# KiCad board bd845-pwb.kicad_pcb
title: BD845-PWB PCB; date: 2022-12-13; rev: 1.0.0; company: BlueDot, Vincenzo Fortunato
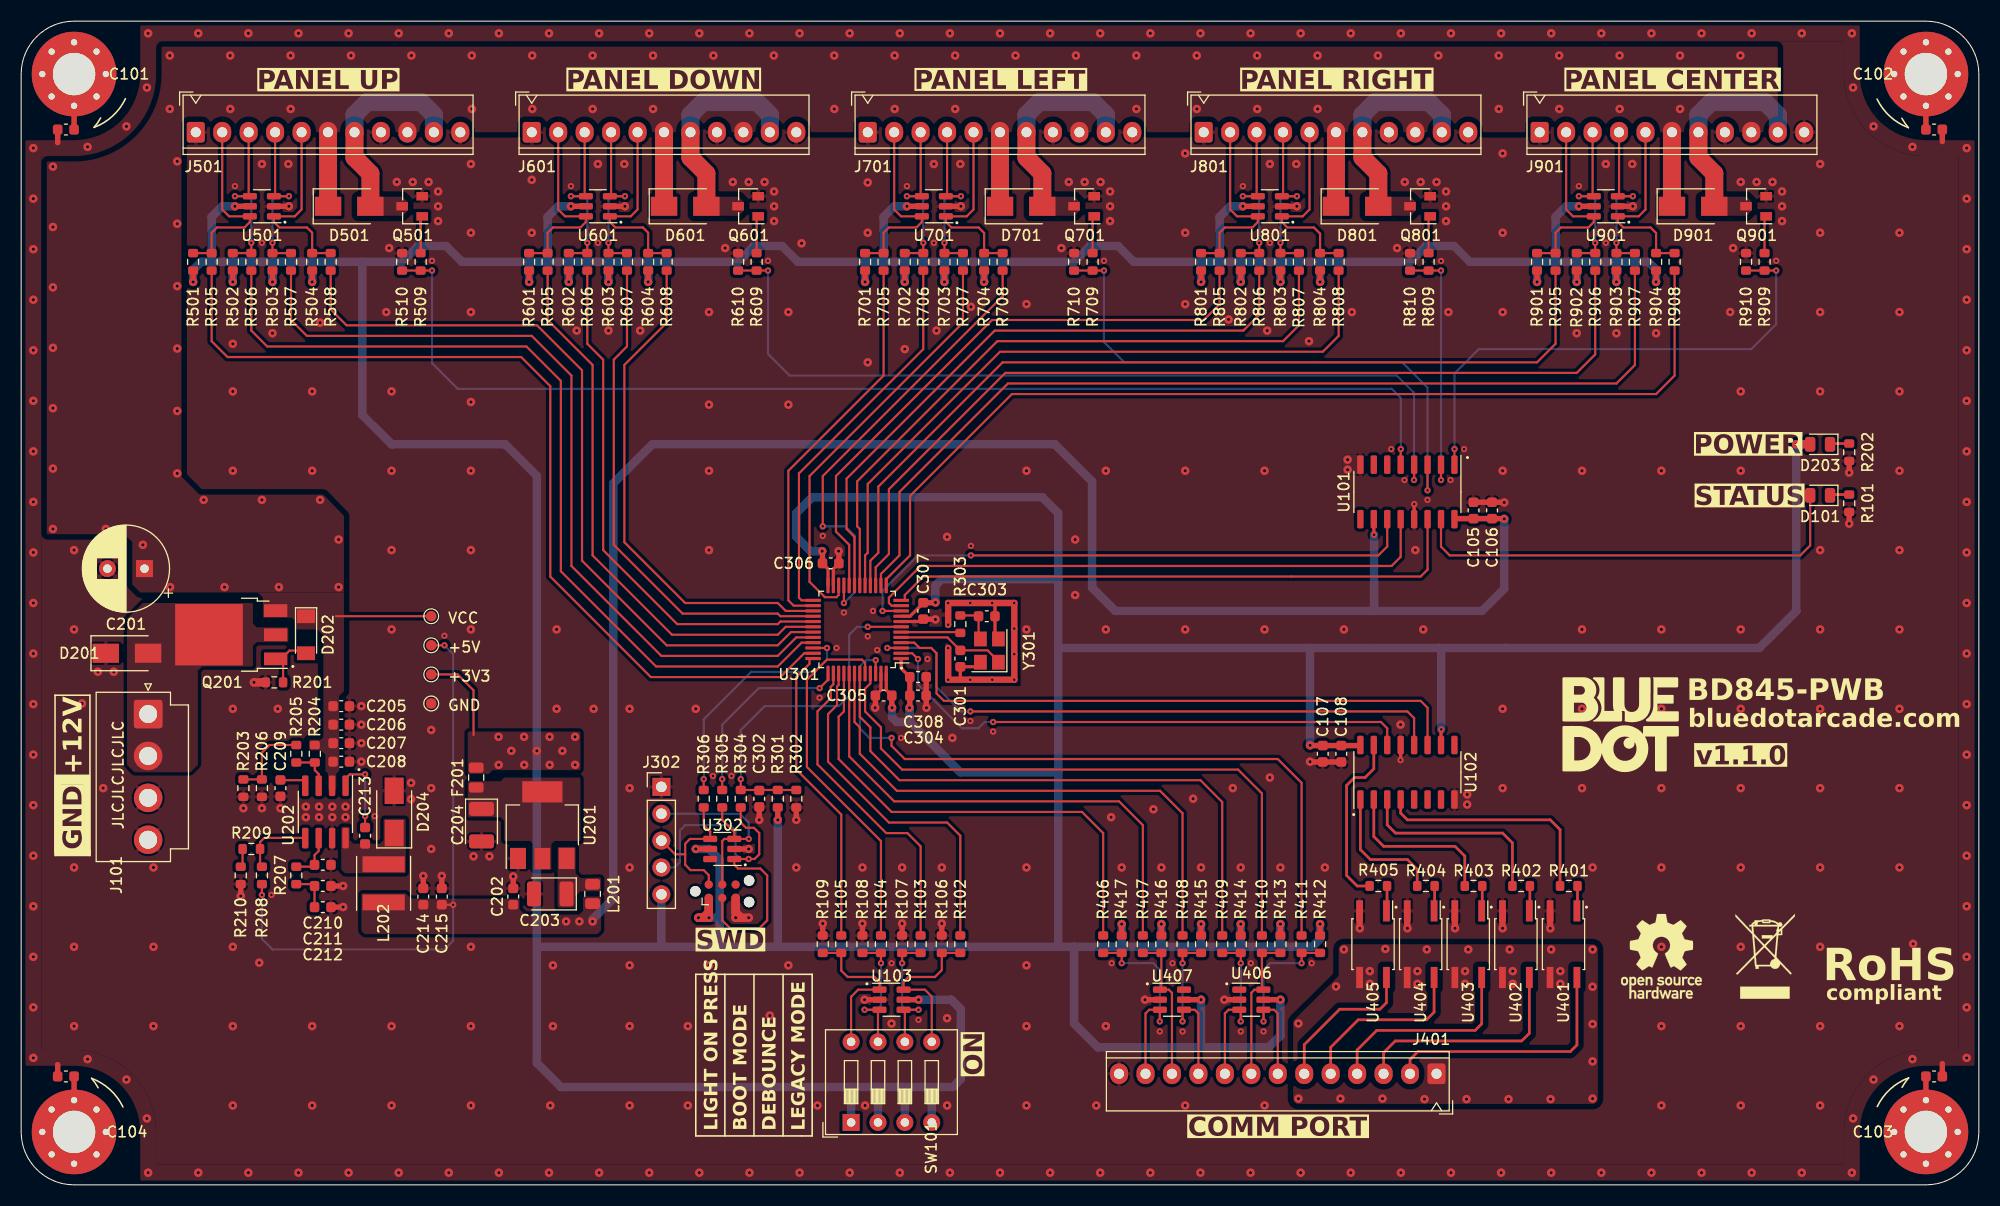
[diagram p0: board, top side]
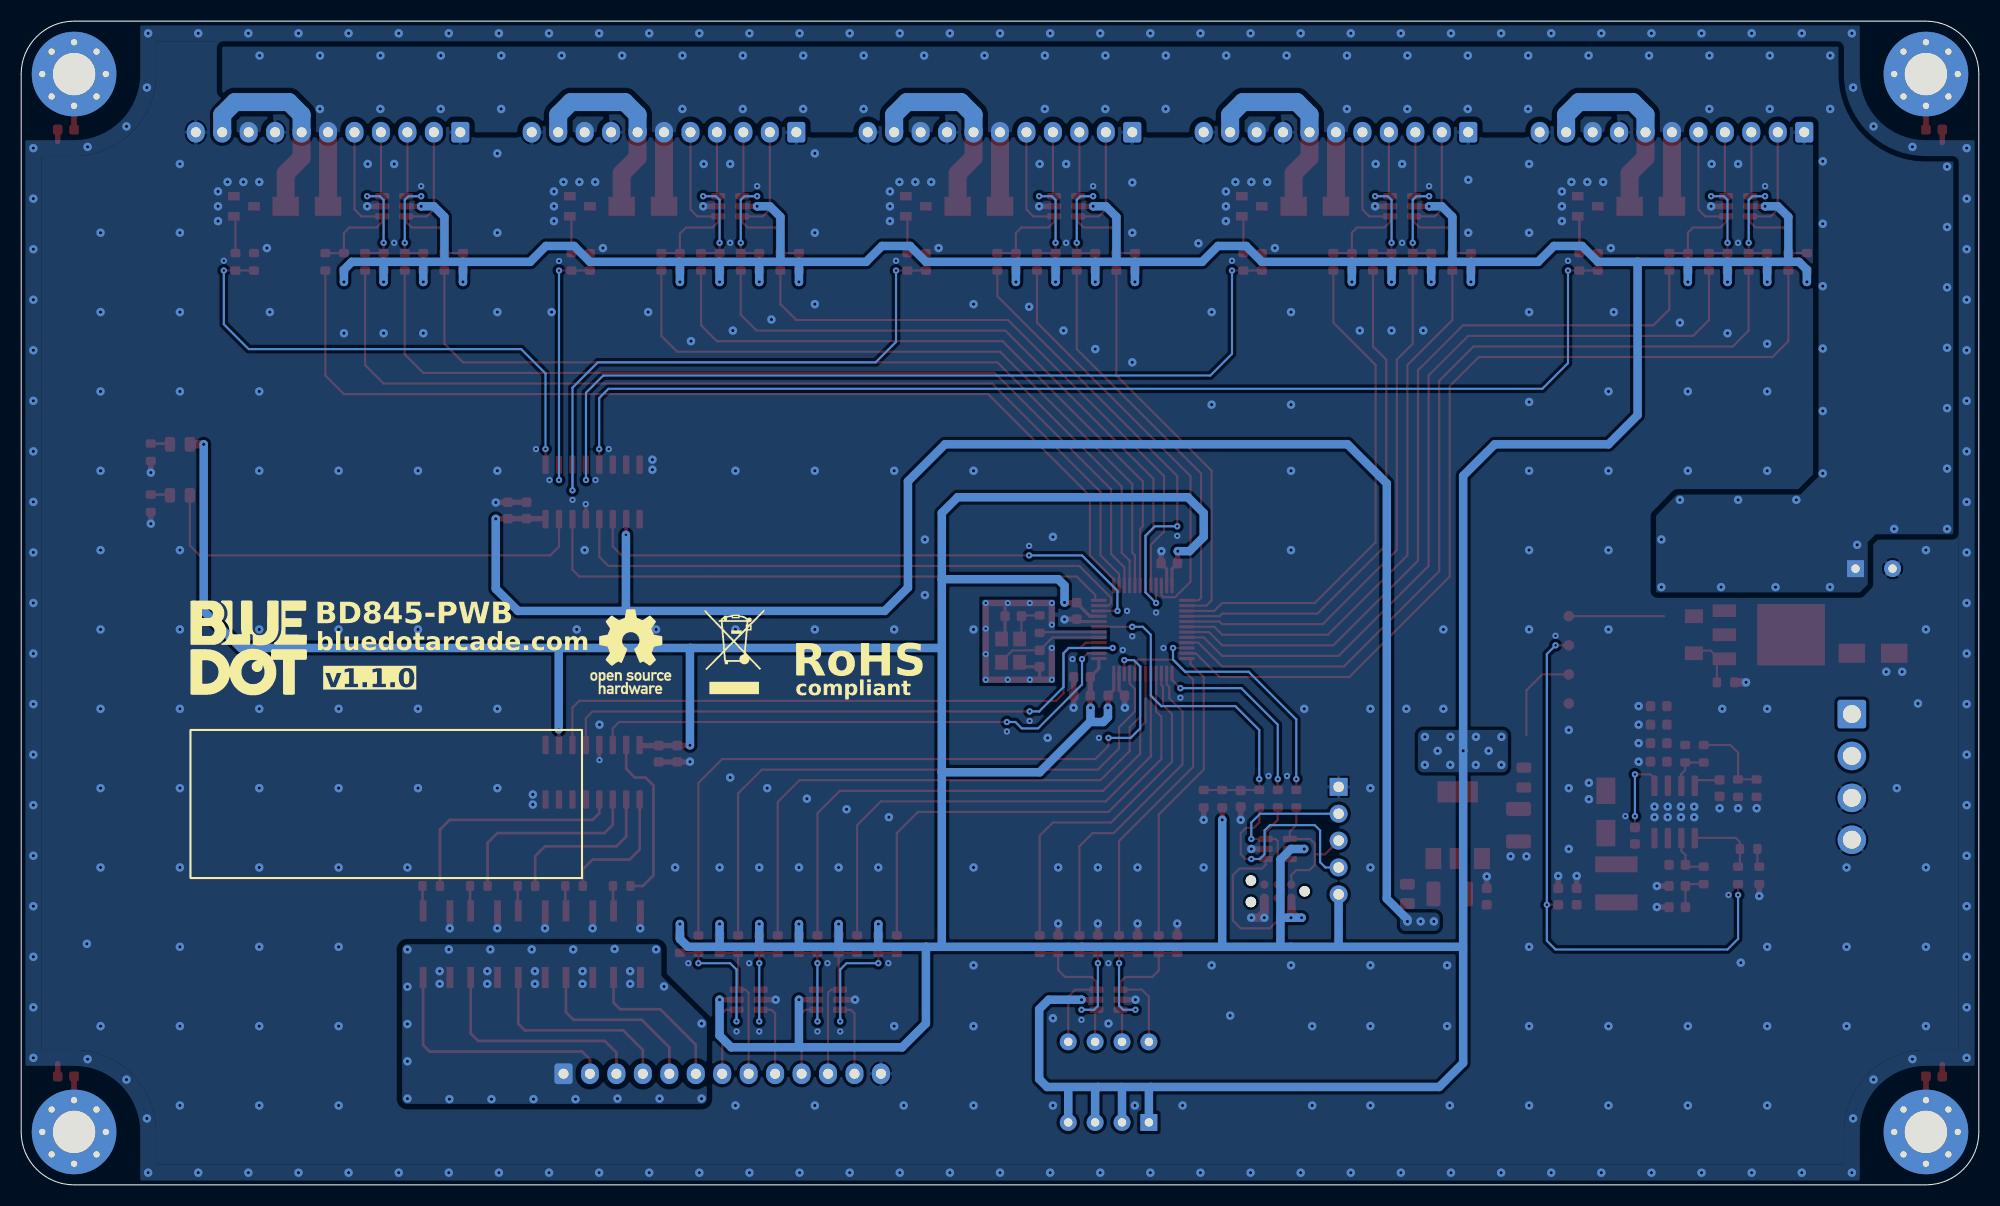
[diagram p1: board, bottom side, seen from below]

Outline 185 x 110 mm; copper layers: F.Cu (Sig-Pwr-Gnd), In1.Cu (Gnd) (plane), In2.Cu  (Gnd) (plane), B.Cu  (Sig-Pwr-Gnd). Coordinates in mm from the lower left corner of the outline.
Outline path: 0,105 0,5 arc(1.46,1.46) 5,0 180,0 arc(183.54,1.46) 185,5 185,105 arc(183.54,108.54) 180,110 5,110 arc(1.46,108.54) 0,105
Stack: F.Cu (Sig-Pwr-Gnd) 0.035mm / dielectric 0.0994mm FR4 er 4.5 / In1.Cu (Gnd) 0.0152mm / dielectric 1.265mm FR4 er 4.5 / In2.Cu  (Gnd) 0.0152mm / dielectric 0.0994mm FR4 er 4.5 / B.Cu  (Sig-Pwr-Gnd) 0.035mm

## Placement (name value [footprint] x y rotation side)
C101  1n  [C_0603_1608Metric]  4.23 99.75 0 top
C102  1n  [C_0603_1608Metric]  180.78 99.75 180 top
C103  1n  [C_0603_1608Metric]  180.78 10.25 180 top
C104  1n  [C_0603_1608Metric]  4.23 10.25 0 top
C105  10n  [C_0603_1608Metric]  137.25 63.75 90 top
C106  100n  [C_0603_1608Metric]  139 63.75 90 top
C107  100n  [C_0603_1608Metric]  123 40.75 270 top
C108  10n  [C_0603_1608Metric]  124.75 40.75 270 top
C201  330u  [CP_Radial_D8.0mm_P3.50mm]  11.65 58.25 180 top
C202  100n  [C_0603_1608Metric]  46.5 27.25 90 top
C203  22u  [CP_EIA-3528-15_AVX-H]  50 27.5 180 top
C204  22u  [CP_EIA-3528-15_AVX-H]  43.5 34 270 top
C205  10u  [C_0603_1608Metric]  30.25 45.25 0 top
C206  10u  [C_0603_1608Metric]  30.25 43.5 0 top
C207  10n  [C_0603_1608Metric]  30.25 41.75 0 top
C208  1n  [C_0603_1608Metric]  30.25 40 0 top
C209  10n  [C_0603_1608Metric]  24.5 37.5 270 top
C210  6p8  [C_0603_1608Metric]  28.5 30.25 0 top
C211  2n7  [C_0603_1608Metric]  28.5 28.25 0 top
C212  2n7  [C_0603_1608Metric]  28.5 26.25 0 top
C213  100n  [C_0603_1608Metric]  32.5 33 270 top
C214  10u  [C_0603_1608Metric]  38 27.25 90 top
C215  10u  [C_0603_1608Metric]  39.75 27.25 90 top
C301  10p  [C_0603_1608Metric]  88.75 49.75 270 top
C302  100n  [C_0603_1608Metric]  69.75 36.5 270 top
C303  10p  [C_0603_1608Metric]  91.25 53.75 0 top
C304  10u  [C_0603_1608Metric]  84.75 46.25 0 top
C305  100n  [C_0603_1608Metric]  81.5 46.25 180 top
C306  100n  [C_0603_1608Metric]  76.5 58.75 0 top
C307  100n  [C_0603_1608Metric]  85.25 54.25 270 top
C308  100n  [C_0603_1608Metric]  84.75 48 0 top
D101  Status  [LED_0805_2012Metric]  170 65.17 180 top
D201  SMAJ15CA  [D_SMA]  10 50.25 0 top
D202  5V6  [D_MiniMELF]  26.92 52 270 top
D203  Power  [LED_0805_2012Metric]  170 70 180 top
D204  SS34  [D_SMA]  35.25 35.25 90 top
D501  SS34  [D_SMA]  31 92.5 0 top
D601  SS34  [D_SMA]  62.75 92.5 0 top
D701  SS34  [D_SMA]  94.5 92.5 0 top
D801  SS34  [D_SMA]  126.25 92.5 0 top
D901  SS34  [D_SMA]  158 92.5 0 top
F201  BSMD0805-035  [Fuse_0805_2012Metric]  43 38.5 270 top
G***  LOGO  [bluedot-logo]  151.15 43.5 0 top
G***#2  LOGO  [bluedot-logo]  163.5 50.75 180 bottom
H101  MountingHole_Pad  [MountingHole_4mm_Pad_Via]  5 105 0 top
H102  MountingHole_Pad  [MountingHole_4mm_Pad_Via]  180 105 0 top
H103  MountingHole_Pad  [MountingHole_4mm_Pad_Via]  180 5 0 top
H104  MountingHole_Pad  [MountingHole_4mm_Pad_Via]  5 5 0 top
J101  JST_VH_B4P  [JST_VH_B4P-VH_1x04_P3.96mm_Vertical]  12 44.5 270 top
J301  TC2030-MCP-NL  [Tag-Connect_TC2030-IDC-NL_2x03_P1.27mm_Vertical]  66.25 27.75 0 top
J302  PinHeader_01x05  [PinHeader_1x05_P2.54mm_Vertical]  60.5 37.62 0 top
J401  JST_B13P_SHF_1AA  [JST_NH_B13P-SHF-1AA_1x13_P2.50mm_Vertical]  133.75 10.5 180 top
J501  JST_B11P_SHF_1AA  [JST_NH_B11P-SHF-1AA_1x11_P2.50mm_Vertical]  16.5 99.5 0 top
J601  JST_B11P_SHF_1AA  [JST_NH_B11P-SHF-1AA_1x11_P2.50mm_Vertical]  48.25 99.5 0 top
J701  JST_B11P_SHF_1AA  [JST_NH_B11P-SHF-1AA_1x11_P2.50mm_Vertical]  80 99.5 0 top
J801  JST_B11P_SHF_1AA  [JST_NH_B11P-SHF-1AA_1x11_P2.50mm_Vertical]  111.75 99.5 0 top
J901  JST_B11P_SHF_1AA  [JST_NH_B11P-SHF-1AA_1x11_P2.50mm_Vertical]  143.5 99.5 0 top
L201  100R  [R_0805_2012Metric]  54 27.5 90 top
L202  22u  [L_Taiyo-Yuden_NR-50xx]  34.25 28.5 270 top
Q201  AOD409  [TO-252-3_TabPin2]  19.85 52 180 top
Q501  ZXMS6004FFTA  [SOT23F]  37 92.5 180 top
Q601  ZXMS6004FFTA  [SOT23F]  68.75 92.5 180 top
Q701  ZXMS6004FFTA  [SOT23F]  100.5 92.5 180 top
Q801  ZXMS6004FFTA  [SOT23F]  132.25 92.5 180 top
Q901  ZXMS6004FFTA  [SOT23F]  164 92.5 180 top
R101  1k  [R_0603_1608Metric]  172.75 64.42 270 top
R102  150R  [R_0603_1608Metric]  88.75 22.75 90 top
R103  150R  [R_0603_1608Metric]  85 22.75 90 top
R104  150R  [R_0603_1608Metric]  81.25 22.75 90 top
R105  150R  [R_0603_1608Metric]  77.5 22.75 90 top
R106  10k  [R_0603_1608Metric]  87 22.75 90 top
R107  10k  [R_0603_1608Metric]  83.25 22.75 90 top
R108  10k  [R_0603_1608Metric]  79.5 22.75 90 top
R109  10k  [R_0603_1608Metric]  75.75 22.75 90 top
R201  10k  [R_0603_1608Metric]  23.92 47.5 180 top
R202  1k  [R_0603_1608Metric]  172.75 69.25 90 top
R203  10k  [R_0603_1608Metric]  21 37.5 270 top
R204  100k  [R_0603_1608Metric]  27.75 40.75 270 top
R205  10k  [R_0603_1608Metric]  26 40.75 90 top
R206  10k  [R_0603_1608Metric]  22.75 37.5 270 top
R207  6k8  [R_0603_1608Metric]  26 29.25 270 top
R208  10k  [R_0603_1608Metric]  22.75 29.25 90 top
R209  150R  [R_0603_1608Metric]  21.75 31.75 180 top
R210  1k8  [R_0603_1608Metric]  20.75 29.25 270 top
R301  10k  [R_0603_1608Metric]  71.5 36.5 90 top
R302  NC  [R_0603_1608Metric]  73.25 36.5 270 top
R303  47R  [R_0603_1608Metric]  88.75 53 90 top
R304  150R  [R_0603_1608Metric]  68 36.5 90 top
R305  150R  [R_0603_1608Metric]  66.25 36.5 90 top
R306  150R  [R_0603_1608Metric]  64.5 36.5 90 top
R401  330R  [R_0603_1608Metric]  146.25 28.25 0 top
R402  330R  [R_0603_1608Metric]  141.75 28.25 0 top
R403  330R  [R_0603_1608Metric]  137.25 28.25 0 top
R404  330R  [R_0603_1608Metric]  132.75 28.25 0 top
R405  330R  [R_0603_1608Metric]  128.25 28.25 0 top
R406  150R  [R_0603_1608Metric]  102.25 22.75 90 top
R407  150R  [R_0603_1608Metric]  106 22.75 90 top
R408  150R  [R_0603_1608Metric]  109.75 22.75 90 top
R409  150R  [R_0603_1608Metric]  113.5 22.75 90 top
R410  150R  [R_0603_1608Metric]  117.25 22.75 90 top
R411  150R  [R_0603_1608Metric]  121 22.75 90 top
R412  10k  [R_0603_1608Metric]  122.75 22.75 90 top
R413  10k  [R_0603_1608Metric]  119 22.75 90 top
R414  10k  [R_0603_1608Metric]  115.25 22.75 90 top
R415  10k  [R_0603_1608Metric]  111.5 22.75 90 top
R416  10k  [R_0603_1608Metric]  107.75 22.75 90 top
R417  10k  [R_0603_1608Metric]  104 22.75 90 top
R501  10k  [R_0603_1608Metric]  16.25 87.25 90 top
R502  10k  [R_0603_1608Metric]  20 87.25 90 top
R503  10k  [R_0603_1608Metric]  23.75 87.25 90 top
R504  10k  [R_0603_1608Metric]  27.5 87.25 90 top
R505  150R  [R_0603_1608Metric]  18 87.25 90 top
R506  150R  [R_0603_1608Metric]  21.75 87.25 90 top
R507  150R  [R_0603_1608Metric]  25.5 87.25 90 top
R508  150R  [R_0603_1608Metric]  29.25 87.25 90 top
R509  0R  [R_0603_1608Metric]  37.75 87.25 270 top
R510  10k  [R_0603_1608Metric]  36 87.25 270 top
R601  10k  [R_0603_1608Metric]  48 87.25 90 top
R602  10k  [R_0603_1608Metric]  51.75 87.25 90 top
R603  10k  [R_0603_1608Metric]  55.5 87.25 90 top
R604  10k  [R_0603_1608Metric]  59.25 87.25 90 top
R605  150R  [R_0603_1608Metric]  49.75 87.25 90 top
R606  150R  [R_0603_1608Metric]  53.5 87.25 90 top
R607  150R  [R_0603_1608Metric]  57.25 87.25 90 top
R608  150R  [R_0603_1608Metric]  61 87.25 90 top
R609  0R  [R_0603_1608Metric]  69.5 87.25 270 top
R610  10k  [R_0603_1608Metric]  67.75 87.25 270 top
R701  10k  [R_0603_1608Metric]  79.75 87.25 90 top
R702  10k  [R_0603_1608Metric]  83.5 87.25 90 top
R703  10k  [R_0603_1608Metric]  87.25 87.25 90 top
R704  10k  [R_0603_1608Metric]  91 87.25 90 top
R705  150R  [R_0603_1608Metric]  81.5 87.25 90 top
R706  150R  [R_0603_1608Metric]  85.25 87.25 90 top
R707  150R  [R_0603_1608Metric]  89 87.25 90 top
R708  150R  [R_0603_1608Metric]  92.75 87.25 90 top
R709  0R  [R_0603_1608Metric]  101.25 87.25 270 top
R710  10k  [R_0603_1608Metric]  99.5 87.25 270 top
R801  10k  [R_0603_1608Metric]  111.5 87.25 90 top
R802  10k  [R_0603_1608Metric]  115.25 87.25 90 top
R803  10k  [R_0603_1608Metric]  119 87.25 90 top
R804  10k  [R_0603_1608Metric]  122.75 87.25 90 top
R805  150R  [R_0603_1608Metric]  113.25 87.25 90 top
R806  150R  [R_0603_1608Metric]  117 87.25 90 top
R807  150R  [R_0603_1608Metric]  120.75 87.25 90 top
R808  150R  [R_0603_1608Metric]  124.5 87.25 90 top
R809  0R  [R_0603_1608Metric]  133 87.25 270 top
R810  10k  [R_0603_1608Metric]  131.25 87.25 270 top
R901  10k  [R_0603_1608Metric]  143.25 87.25 90 top
R902  10k  [R_0603_1608Metric]  147 87.25 90 top
R903  10k  [R_0603_1608Metric]  150.75 87.25 90 top
R904  10k  [R_0603_1608Metric]  154.5 87.25 90 top
R905  150R  [R_0603_1608Metric]  145 87.25 90 top
R906  150R  [R_0603_1608Metric]  148.75 87.25 90 top
R907  150R  [R_0603_1608Metric]  152.5 87.25 90 top
R908  150R  [R_0603_1608Metric]  156.25 87.25 90 top
R909  0R  [R_0603_1608Metric]  164.75 87.25 270 top
R910  10k  [R_0603_1608Metric]  163 87.25 270 top
REF**  -  [WEEE-Logo_5.6x8mm_SilkScreen]  164.8 21.6 0 top
REF**#2  -  [OSHW-Logo_7.5x8mm_SilkScreen]  155 21.6 0 top
REF**#3  -  [WEEE-Logo_5.6x8mm_SilkScreen]  117.6 50.4 180 bottom
REF**#4  -  [OSHW-Logo_7.5x8mm_SilkScreen]  127.4 50.4 180 bottom
SW101  SW_DIP_x04  [SW_DIP_SPSTx04_Slide_9.78x12.34mm_W7.62mm_P2.54mm]  78.43 5.9 90 top
TP201  TestPoint_Small  [TestPoint_Pad_D1.0mm]  38.75 53.75 0 top
TP202  TestPoint_Small  [TestPoint_Pad_D1.0mm]  38.75 45.5 0 top
TP203  TestPoint_Small  [TestPoint_Pad_D1.0mm]  38.75 48.25 0 top
TP204  TestPoint_Small  [TestPoint_Pad_D1.0mm]  38.75 51 0 top
U101  74HC595-Q100  [SO-16_3.9x9.9mm_P1.27mm]  131 65.5 270 top
U102  74HC595  [SO-16_3.9x9.9mm_P1.27mm]  131 39 90 top
U103  SRV05-4  [SOT-23-6]  82.25 17.5 0 top
U201  AMS1117-3.3  [SOT-223-3_TabPin2]  49.25 34 90 top
U202  TPS54331  [SOIC-8_3.9x4.9mm_P1.27mm]  28.75 35.25 270 top
U301  STM32F030C8Tx  [LQFP-48_7x7mm_P0.5mm]  79 52.5 180 top
U302  SRV05-4  [SOT-23-6]  66.25 31.75 180 top
U401  EL357N(C)(TA)-G  [SO-4_4.4x3.6mm_P2.54mm]  145.75 22.75 270 top
U402  EL357N(C)(TA)-G  [SO-4_4.4x3.6mm_P2.54mm]  141.25 22.75 270 top
U403  EL357N(C)(TA)-G  [SO-4_4.4x3.6mm_P2.54mm]  136.75 22.75 270 top
U404  EL357N(C)(TA)-G  [SO-4_4.4x3.6mm_P2.54mm]  132.25 22.75 270 top
U405  EL357N(C)(TA)-G  [SO-4_4.4x3.6mm_P2.54mm]  127.75 22.75 270 top
U406  SRV05-4  [SOT-23-6]  116.25 17.5 0 top
U407  SRV05-4  [SOT-23-6]  108.75 17.5 0 top
U501  SRV05-4  [SOT-23-6]  22.75 92.5 180 top
U601  SRV05-4  [SOT-23-6]  54.5 92.5 180 top
U701  SRV05-4  [SOT-23-6]  86.25 92.5 180 top
U801  SRV05-4  [SOT-23-6]  118 92.5 180 top
U901  SRV05-4  [SOT-23-6]  149.75 92.5 180 top
Y301  16Mhz  [Crystal_SMD_3225-4Pin_3.2x2.5mm]  91.5 50.5 90 top

## Library data of the parts
C101-C104 C208 = -: Description: Unpolarized capacitor, small symbol; JLCPCB Part #: C1588
C105 C108 C207 C209 = -: Description: Unpolarized capacitor, small symbol; JLCPCB Part #: C57112
C106 C107 C202 C302 C305-C308 = -: Description: Unpolarized capacitor, small symbol; JLCPCB Part #: C14663
C201 = -: Description: Polarized capacitor, small symbol; JLCPCB Part #: C109394
C203 C204 = -: Description: Polarized capacitor, small symbol; ESR: 10Ω; JLCPCB Part #: C8020
C205 C206 C214 C215 C304 = -: Description: Unpolarized capacitor, small symbol; JLCPCB Part #: C96446
C210 = -: Description: Unpolarized capacitor, small symbol; JLCPCB Part #: C1679
C211 C212 = -: Description: Unpolarized capacitor, small symbol; JLCPCB Part #: C1609
C213 = -: Description: Unpolarized capacitor, small symbol; ESR: 1mΩ; JLCPCB Part #: C14663
C301 C303 = -: Description: Unpolarized capacitor, small symbol; JLCPCB Part #: C1634
D101 = -: Description: Light emitting diode, small symbol; JLCPCB Part #: C2296
D201 = -: Description: Bidirectional transient-voltage-suppression diode; JLCPCB Part #: C110044
D202 = -: Description: Zener diode, small symbol; JLCPCB Part #: C8062
D203 = -: Description: Light emitting diode, small symbol; JLCPCB Part #: C142303
D204 D501 D601 D701 D801 D901 = -: Description: Schottky diode, small symbol; JLCPCB Part #: C8678
F201 = -: Description: Resettable fuse, polymeric positive temperature coefficient, small symbol; JLCPCB Part #: C883107
H101-H104 = -: Description: Mounting Hole with connection
J101 = -: Description: Generic connector, single row, 01x04, script generated (kicad-library-utils/schlib/autogen/connector/)
J301 = -: Description: TC2030-MCP-NL PCB Footprint (no legs); Arrow Price/Stock: https://www.arrow.com/en/products/tc2030-mcp-nl/microchip-technology?region=nac; Manufacturer_Name: Microchip; Mouser Part Number: 579-TC2030-MCP-NL; Mouser Price/Stock: https://www.mouser.co.uk/ProductDetail/Microchip-Technology/TC2030-MCP-NL?qs=vpV3rcoeaPNaPItFBtR60A%3D%3D
J302 = -: Description: Generic connector, single row, 01x05, script generated (kicad-library-utils/schlib/autogen/connector/)
J401 = -: Description: Generic connector, single row, 01x13, script generated (kicad-library-utils/schlib/autogen/connector/)
J501 J601 J701 J801 J901 = -: Description: Generic connector, single row, 01x11, script generated (kicad-library-utils/schlib/autogen/connector/)
L201 = -: Description: Inductor with iron core, small symbol; JLCPCB Part #: C1015
L202 = -: Description: Inductor with iron core, small symbol; ESR: 100mΩ; JLCPCB Part #: C68434
Q201 = -: Description: 60V 26A 2.5W 40mΩ@10V,20A 2.4V@250uA P Channel TO-252-2(DPAK) MOSFETs; JLCPCB Part #: C36220
Q501 Q601 Q701 Q801 Q901 = -: Description: 30V Vds, 5.7A Id, N-Channel MOSFET, SOT-23; JLCPCB Part #: C95063
R101 R202 = -: Description: Resistor, small symbol; JLCPCB Part #: C21190
R102-R105 R304-R306 R406-R411 R505-R508 R605-R608 R705-R708 R805-R808 R905-R908 = -: Description: Resistor, small symbol; JLCPCB Part #: C22808
R106-R109 R201 R203 R205 R206 R301 R412-R417 R501-R504 R510 R601-R604 R610 R701-R704 R710 R801-R804 R810 R901-R904 R910 = -: Description: Resistor, small symbol; JLCPCB Part #: C25804
R204 = -: Description: Resistor, small symbol; JLCPCB Part #: C25803
R207 = -: Description: Resistor, small symbol; Accuracy: 1%; JLCPCB Part #: C23212
R208 = -: Description: Resistor, small symbol; Accuracy: 1%; JLCPCB Part #: C25804
R209 = -: Description: Resistor, small symbol; Accuracy: 1%; JLCPCB Part #: C22808
R210 = -: Description: Resistor, small symbol; Accuracy: 1%; JLCPCB Part #: C4177
R302 = -: Description: Resistor, small symbol
R303 = -: Description: Resistor, small symbol; JLCPCB Part #: C23182
R401-R405 = -: Description: Resistor, small symbol; JLCPCB Part #: C23138
R509 R609 R709 R809 R909 = -: Description: Resistor, small symbol; JLCPCB Part #: C21189
SW101 = -: Description: 4x DIP Switch, Single Pole Single Throw (SPST) switch, small symbol; JLCPCB Part #: C692502
TP201-TP204 = -: Description: test point
U101 U102 = -: Description: 8-bit serial in/out Shift Register 3-State Outputs; JLCPCB Part #: C547127
U103 U302 U406 U407 U501 U601 U701 U801 U901 = -: Description: ESD Protection Diodes with Low Clamping Voltage, SOT-23-6; JLCPCB Part #: C85364
U201 = -: Description: 1A Low Dropout regulator, positive, 3.3V fixed output, SOT-223; JLCPCB Part #: C6186
U202 = -: Description: 3.5V to 28V Input, 3A, Non Synchronous Step-Down DC-DC Converter with Eco-mode(tm); JLCPCB Part #: C9865
U301 = -: Description: ARM Cortex-M0 MCU, 64KB flash, 8KB RAM, 48MHz, 2.4-3.6V, 39 GPIO, LQFP-48; JLCPCB Part #: C23922
U401-U405 = -: Description: DC Optocoupler, Vce 35V, CTR 50%, SO-4; JLCPCB Part #: C29981
Y301 = -: Description: Four pin crystal, GND on pins 2 and 4, small symbol; JLCPCB Part #: C13738

## Footprints (pads in the part's own frame, mm; a bottom-side part is the same pattern mirrored in y, then rotated)
C_0603_1608Metric
  rrect 0.9x0.95 smd: 1(-0.775,0) 2(0.775,0)
CP_EIA-3528-15_AVX-H
  rrect 1.325x2.35 smd: 1(-1.538,0) 2(1.538,0)
CP_Radial_D8.0mm_P3.50mm
  rect 1.6x1.6 hole 0.8: 1(0,0)
  round 1.6 hole 0.8: 2(3.5,0)
Crystal_SMD_3225-4Pin_3.2x2.5mm
  rect 1.4x1.2 smd: 1(-1.1,-0.85) 2(1.1,-0.85) 3(1.1,0.85) 4(-1.1,0.85)
D_MiniMELF
  rect 1.3x1.7 smd: 1(-1.75,0) 2(1.75,0)
D_SMA
  rect 2.5x1.8 smd: 1(-2,0) 2(2,0)
Fuse_0805_2012Metric
  rrect 0.975x1.4 smd: 1(-0.938,0) 2(0.938,0)
JST_NH_B11P-SHF-1AA_1x11_P2.50mm_Vertical
  rrect 1.7x1.95 hole 0.95: 1(0,0)
  oval 1.7x1.95 hole 0.95: 2(2.5,0) 3(5,0) 4(7.5,0) 5(10,0) 6(12.5,0) 7(15,0) 8(17.5,0) 9(20,0) 10(22.5,0) 11(25,0)
JST_NH_B13P-SHF-1AA_1x13_P2.50mm_Vertical
  rrect 1.7x1.95 hole 0.95: 1(0,0)
  oval 1.7x1.95 hole 0.95: 2(2.5,0) 3(5,0) 4(7.5,0) 5(10,0) 6(12.5,0) 7(15,0) 8(17.5,0) 9(20,0) 10(22.5,0) 11(25,0) 12(27.5,0) 13(30,0)
JST_VH_B4P-VH_1x04_P3.96mm_Vertical
  rrect 2.7x2.7 hole 1.7: 1(0,0)
  round 2.7 hole 1.7: 2(3.96,0) 3(7.92,0) 4(11.88,0)
L_Taiyo-Yuden_NR-50xx
  rect 1.5x4 smd: 1(-1.8,0) 2(1.8,0)
LED_0805_2012Metric
  rrect 0.975x1.4 smd: 1(-0.938,0) 2(0.938,0)
LQFP-48_7x7mm_P0.5mm
  rrect 1.475x0.3 smd: 1(-4.162,2.75) 2(-4.162,2.25) 3(-4.162,1.75) 4(-4.162,1.25) 5(-4.162,0.75) 6(-4.162,0.25) 7(-4.162,-0.25) 8(-4.162,-0.75) 9(-4.162,-1.25) 10(-4.162,-1.75) 11(-4.162,-2.25) 12(-4.162,-2.75) 25(4.162,-2.75) 26(4.162,-2.25) 27(4.162,-1.75) 28(4.162,-1.25) 29(4.162,-0.75) 30(4.162,-0.25) 31(4.162,0.25) 32(4.162,0.75) 33(4.162,1.25) 34(4.162,1.75) 35(4.162,2.25) 36(4.162,2.75)
  rrect 0.3x1.475 smd: 13(-2.75,-4.162) 14(-2.25,-4.162) 15(-1.75,-4.162) 16(-1.25,-4.162) 17(-0.75,-4.162) 18(-0.25,-4.162) 19(0.25,-4.162) 20(0.75,-4.162) 21(1.25,-4.162) 22(1.75,-4.162) 23(2.25,-4.162) 24(2.75,-4.162) 37(2.75,4.162) 38(2.25,4.162) 39(1.75,4.162) 40(1.25,4.162) 41(0.75,4.162) 42(0.25,4.162) 43(-0.25,4.162) 44(-0.75,4.162) 45(-1.25,4.162) 46(-1.75,4.162) 47(-2.25,4.162) 48(-2.75,4.162)
MountingHole_4mm_Pad_Via
  round 0.9 hole 0.6: 1(-3,0) 1(-2.121,2.121) 1(-2.121,-2.121) 1(0,3) 1(0,-3) 1(2.121,2.121) 1(2.121,-2.121) 1(3,0)
  round 8 hole 4: 1(0,0)
PinHeader_1x05_P2.54mm_Vertical
  rect 1.7x1.7 hole 1: 1(0,0)
  oval 1.7x1.7 hole 1: 2(0,-2.54) 3(0,-5.08) 4(0,-7.62) 5(0,-10.16)
R_0603_1608Metric
  rrect 0.8x0.95 smd: 1(-0.825,0) 2(0.825,0)
R_0805_2012Metric
  rrect 1.025x1.4 smd: 1(-0.912,0) 2(0.912,0)
SO-4_4.4x3.6mm_P2.54mm
  rect 2x0.64 smd: 1(-3.15,1.27) 2(-3.15,-1.27) 3(3.15,-1.27) 4(3.15,1.27)
SO-16_3.9x9.9mm_P1.27mm
  rrect 1.75x0.6 smd: 1(-2.575,4.445) 2(-2.575,3.175) 3(-2.575,1.905) 4(-2.575,0.635) 5(-2.575,-0.635) 6(-2.575,-1.905) 7(-2.575,-3.175) 8(-2.575,-4.445) 9(2.575,-4.445) 10(2.575,-3.175) 11(2.575,-1.905) 12(2.575,-0.635) 13(2.575,0.635) 14(2.575,1.905) 15(2.575,3.175) 16(2.575,4.445)
SOIC-8_3.9x4.9mm_P1.27mm
  rrect 1.95x0.6 smd: 1(-2.475,1.905) 2(-2.475,0.635) 3(-2.475,-0.635) 4(-2.475,-1.905) 5(2.475,-1.905) 6(2.475,-0.635) 7(2.475,0.635) 8(2.475,1.905)
SOT23F
  rect 1.1x0.8 smd: 1(-0.9,0.95) 2(-0.9,-0.95) 3(1,0)
SOT-23-6
  rrect 1.325x0.6 smd: 1(-1.137,0.95) 2(-1.137,0) 3(-1.137,-0.95) 4(1.137,-0.95) 5(1.137,0) 6(1.137,0.95)
SOT-223-3_TabPin2
  rect 2x1.5 smd: 1(-3.15,2.3) 2(-3.15,0) 3(-3.15,-2.3)
  rect 2x3.8 smd: 2(3.15,0)
SW_DIP_SPSTx04_Slide_9.78x12.34mm_W7.62mm_P2.54mm
  rect 1.6x1.6 hole 0.8: 1(0,0)
  oval 1.6x1.6 hole 0.8: 2(0,-2.54) 3(0,-5.08) 4(0,-7.62) 5(7.62,-7.62) 6(7.62,-5.08) 7(7.62,-2.54) 8(7.62,0)
Tag-Connect_TC2030-IDC-NL_2x03_P1.27mm_Vertical
  round 0.991 hole 0.991 unplated: (-2.54,0) (2.54,1.016) (2.54,-1.016)
  round 0.787 smd: 1(-1.27,-0.635) 2(-1.27,0.635) 3(0,-0.635) 4(0,0.635) 5(1.27,-0.635) 6(1.27,0.635)
TestPoint_Pad_D1.0mm
  round 1 smd: 1(0,0)
TO-252-3_TabPin2
  rect 3.05x2.75 smd: (0.425,1.525) (0.425,-1.525) (3.775,1.525) (3.775,-1.525)
  rect 2.2x1.2 smd: 1(-4.2,2.28) 2(-4.2,0) 3(-4.2,-2.28)
  rect 6.4x5.8 smd: 2(2.1,0)
